# Altium PCB Main.PcbDoc (part 5 of 7)
Units mm, origin at the board's own origin, x right, y up, seen from the top; angles counter-clockwise.
Board outline 176.9 x 83.38 mm, 6 copper layers (Top Layer, Signal 1, GND, VCC, Signal 2, Bottom Layer), stack 0.816 mm thick; 265 components, 263 nets, 1108 pads, 1060 vias.
Unrouted connection lines stored in the file: 116.
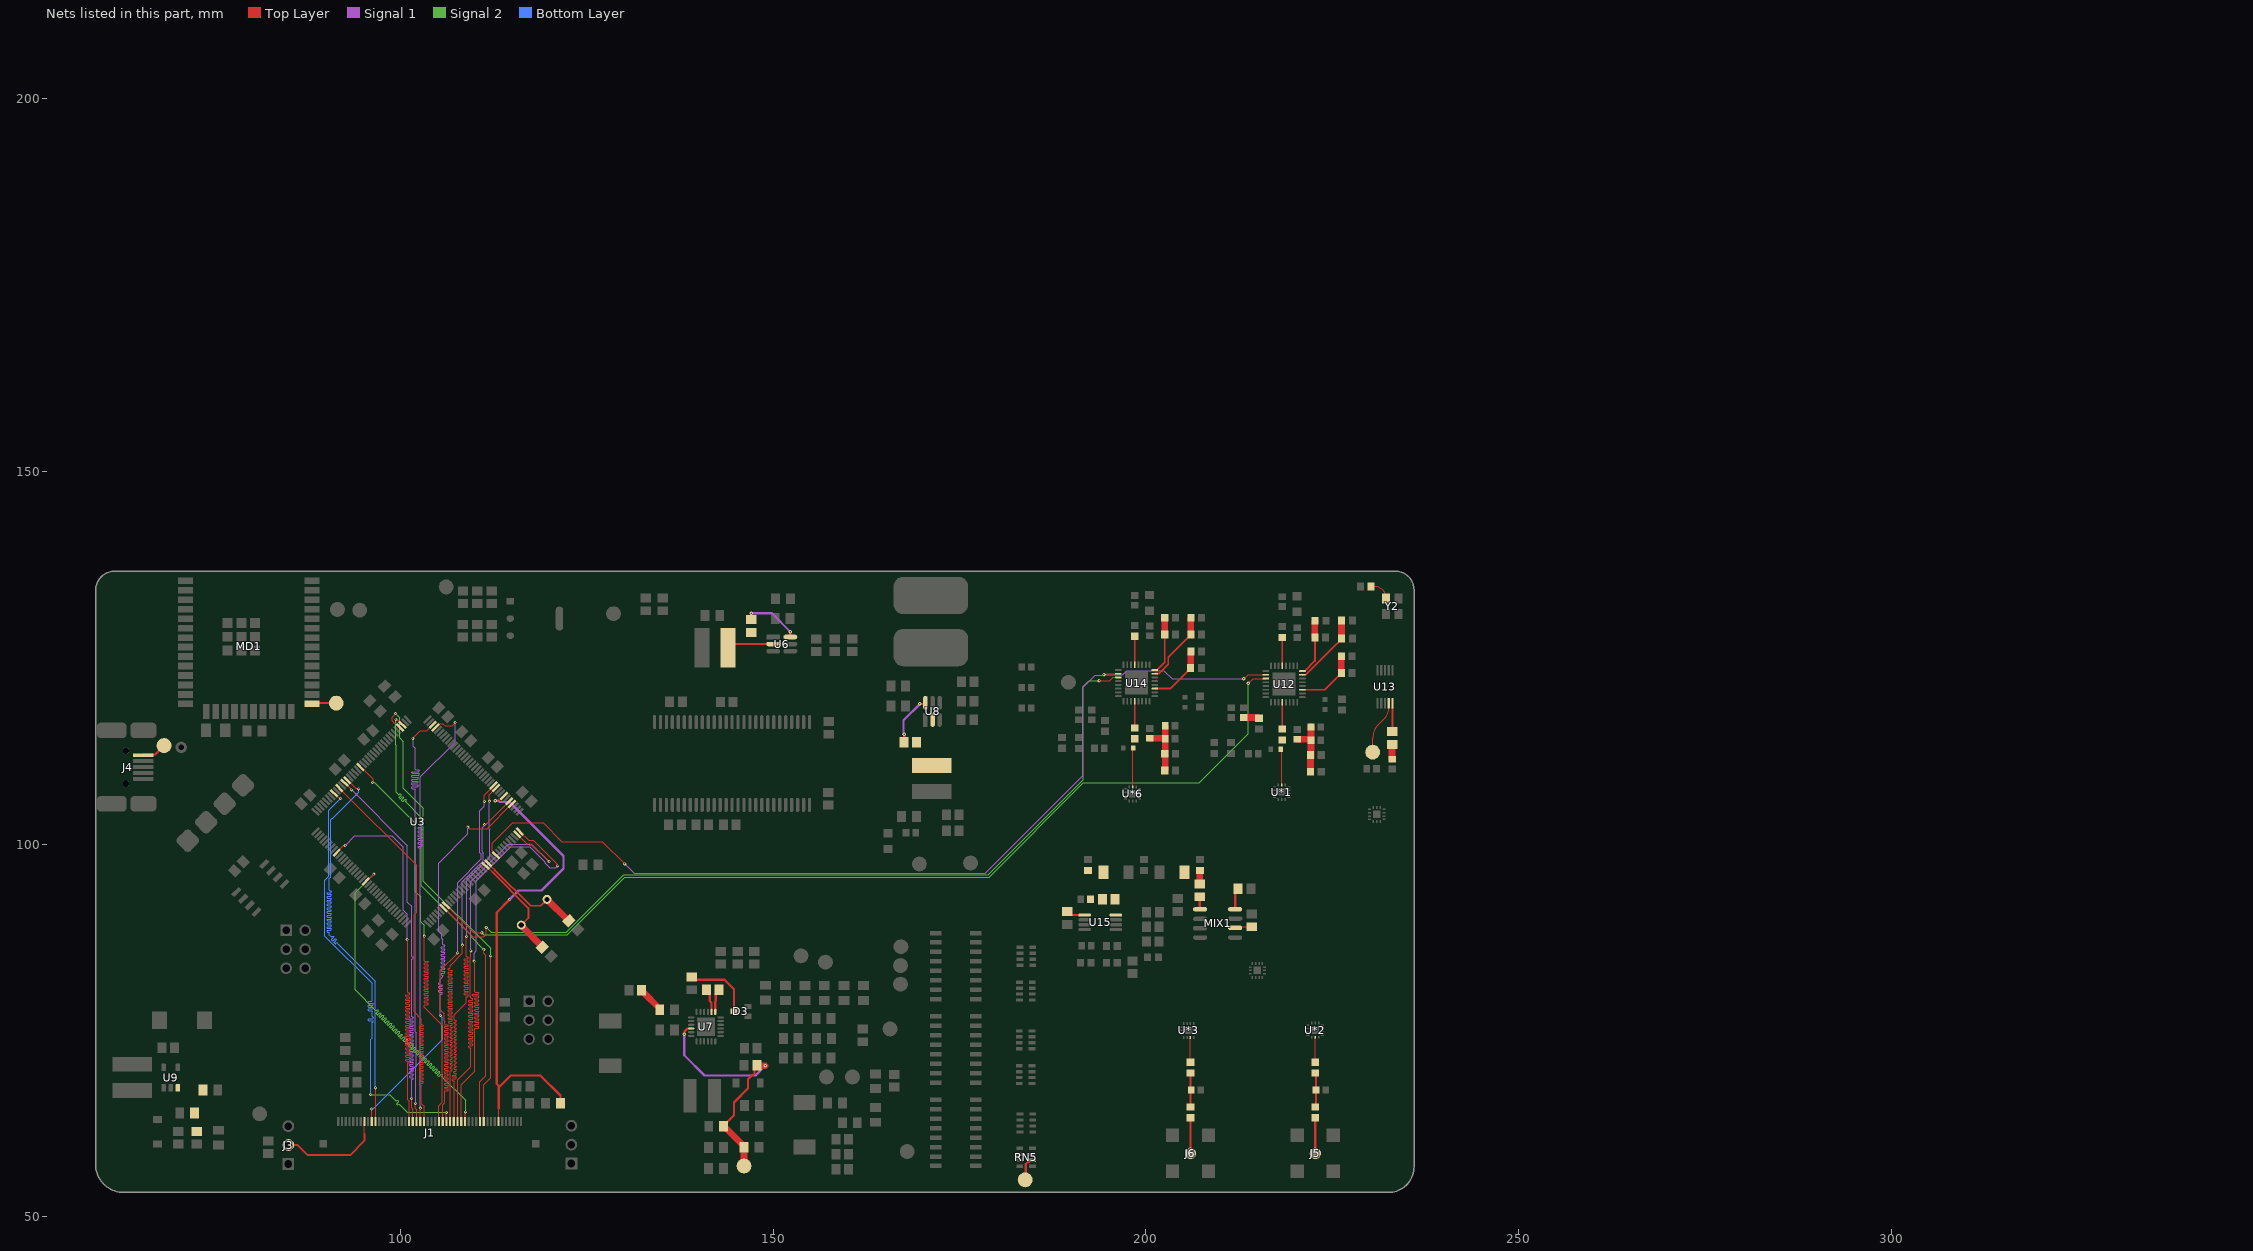
[diagram p9: the nets of this part, all layers, seen from the top]

## Via types
v1: diameter 0.45, hole 0.2, Top Layer to Bottom Layer, tented both sides, 551 vias
v2: diameter 0.8, hole 0.6, Top Layer to Bottom Layer, tented both sides, 348 vias
v3: diameter 0.4, hole 0.2, Top Layer to Bottom Layer, tented both sides, 138 vias
v4: diameter 0.5, hole 0.2, Top Layer to Bottom Layer, tented both sides, 23 vias

## Nets (pads, with @x,y where several pads share a name; then routed paths per layer and width w, separated by ;. In a path a pad name is that pad's centre, name@x,y a point inside that pad or via, vN(x,y) a via of type N, cw(c..) or ccw(c..) an arc to the next point about the centre after c; other vN are vias at no path point) (continued)
LCD_G3: J1.24 U3.99 | length 63.5
  Top Layer w0.127: U3.99@91.807,107.508 102.173,97.141 102.173,90.839 101.864,90.529 101.864,77.47 102.825,76.508 102.825,75.9 102.825,75.837 102.888,75.773 103.016,75.773 103.079,75.71 103.079,75.583 103.016,75.519 102.825,75.519 102.634,75.519 102.571,75.456 102.571,75.329 102.634,75.265 102.825,75.265 103.016,75.265 103.079,75.202 103.079,75.075 103.016,75.011 102.825,75.011 102.634,75.011 102.571,74.948 102.571,74.821 102.634,74.757 102.825,74.757 103.016,74.757 103.079,74.694 103.079,74.567 103.016,74.503 102.825,74.503 102.634,74.503 102.571,74.44 102.571,74.313 102.634,74.249 102.825,74.249 103.016,74.249 103.079,74.186 103.079,74.059 103.016,73.995 102.825,73.995 102.634,73.995 102.571,73.932 102.571,73.805 102.634,73.741 102.825,73.741 103.016,73.741 103.079,73.678 103.079,73.551 103.016,73.487 102.825,73.487 102.634,73.487 102.571,73.424 102.571,73.297 102.634,73.233 102.825,73.233 103.016,73.233 103.079,73.17 103.079,73.043 103.016,72.979 102.825,72.979 102.634,72.979 102.571,72.916 102.571,72.789 102.634,72.725 102.825,72.725 103.016,72.725 103.079,72.662 103.079,72.535 103.016,72.471 102.825,72.471 102.634,72.471 102.571,72.408 102.571,72.281 102.634,72.217 102.825,72.217 103.016,72.217 103.079,72.154 103.079,72.027 103.016,71.963 102.825,71.963 102.634,71.963 102.571,71.9 102.571,71.773 102.634,71.709 102.825,71.709 103.016,71.709 103.079,71.646 103.079,71.519 103.016,71.455 102.825,71.455 102.634,71.455 102.571,71.392 102.571,71.265 102.634,71.201 102.825,71.201 103.016,71.201 103.079,71.138 103.079,71.011 103.016,70.947 102.825,70.947 102.634,70.947 102.571,70.884 102.571,70.757 102.634,70.693 102.825,70.693 103.016,70.693 103.079,70.63 103.079,70.503 103.016,70.439 102.825,70.439 102.634,70.439 102.571,70.376 102.571,70.249 102.634,70.185 102.825,70.185 103.016,70.185 103.079,70.122 103.079,69.995 103.016,69.931 102.825,69.931 102.634,69.931 102.571,69.868 102.571,69.741 102.634,69.677 102.825,69.677 103.016,69.677 103.079,69.614 103.079,69.487 103.016,69.423 102.825,69.423 102.634,69.423 102.571,69.36 102.571,69.233 102.634,69.169 102.825,69.169 103.016,69.169 103.079,69.106 103.079,68.979 103.016,68.915 102.825,68.915 102.634,68.915 102.571,68.852 102.571,68.725 102.634,68.661 102.825,68.661 103.016,68.661 103.079,68.598 103.079,68.471 103.016,68.407 102.825,68.407 102.634,68.407 102.571,68.344 102.571,68.217 102.634,68.153 102.825,68.153 103.016,68.153 103.079,68.09 103.079,67.963 103.016,67.899 102.825,67.899 102.634,67.899 102.571,67.836 102.571,67.709 102.634,67.645 102.761,67.645 102.825,67.582 102.825,67.5 102.825,65.182 103.217,64.789 103.217,62.817 J1.24@103.175,62.775
LCD_G4: J1.23 U3.69 | length 63.7
  Top Layer w0.127: J1.23@102.675,62.775 v3(102.673,64.583) ; U3.69@104.711,115.64 104.798,115.64 105.309,116.151 105.72,116.151 106.004,115.866 106.941,115.866 v3(107.35,116.275)
  Signal 1 w0.127: v3(102.673,64.583) 102.673,99.45 102.647,99.477 102.483,99.477 102.419,99.54 102.419,99.667 102.483,99.731 102.673,99.731 102.864,99.731 102.927,99.794 102.927,99.921 102.864,99.985 102.673,99.985 102.483,99.985 102.419,100.048 102.419,100.175 102.483,100.239 102.673,100.239 102.864,100.239 102.927,100.302 102.927,100.429 102.864,100.493 102.673,100.493 102.483,100.493 102.419,100.556 102.419,100.683 102.483,100.747 102.673,100.747 102.864,100.747 102.927,100.81 102.927,100.937 102.864,101.001 102.673,101.001 102.483,101.001 102.419,101.064 102.419,101.191 102.483,101.255 102.673,101.255 102.864,101.255 102.927,101.318 102.927,101.445 102.864,101.509 102.673,101.509 102.483,101.509 102.419,101.572 102.419,101.699 102.483,101.763 102.673,101.763 102.864,101.763 102.927,101.826 102.927,101.953 102.864,102.017 102.673,102.017 102.483,102.017 102.419,102.08 102.419,102.207 102.483,102.271 102.673,102.271 102.864,102.271 102.927,102.334 102.927,102.461 102.864,102.525 102.737,102.525 102.673,102.588 102.673,102.652 102.673,108.998 107.35,113.675 v3(107.35,116.275)
LCD_G5: J1.22 U3.70 | length 63.7
  Top Layer w0.127: v3(101.68,114.181) 102.699,115.2 103.565,115.2 U3.70@104.358,115.993 ; v3(102.044,65.189) 101.992,65.137 101.992,64.807 101.983,64.797 101.983,64.542 102.183,64.342 102.183,62.782 J1.22@102.175,62.775
  Signal 1 w0.127: v3(101.68,114.181) 101.758,114.103 101.758,113.092 102.025,112.825 102.025,110.106 102.025,110.043 102.089,109.979 102.47,109.979 102.533,109.916 102.533,109.789 102.47,109.725 102.025,109.725 101.581,109.725 101.517,109.662 101.517,109.535 101.581,109.471 102.025,109.471 102.47,109.471 102.533,109.408 102.533,109.281 102.47,109.217 102.025,109.217 101.581,109.217 101.517,109.154 101.517,109.027 101.581,108.963 102.025,108.963 102.333,108.963 102.396,108.9 102.396,108.773 102.333,108.709 102.025,108.709 101.581,108.709 101.517,108.646 101.517,108.519 101.581,108.455 102.025,108.455 102.333,108.455 102.396,108.392 102.396,108.265 102.333,108.201 102.025,108.201 101.581,108.201 101.517,108.138 101.517,108.011 101.581,107.947 102.025,107.947 102.333,107.947 102.396,107.884 102.396,107.757 102.333,107.693 102.025,107.693 101.581,107.693 101.517,107.63 101.517,107.503 101.581,107.439 101.962,107.439 102.025,107.376 102.025,107.3 102.025,74.8 102.15,74.675 102.15,70.022 102.044,69.916 v3(102.044,65.189) v3@102.025,65.208
LCD_G6: J1.21 U3.97 | length 63.4
  Top Layer w0.127: U3.97@92.514,108.215 93.454,107.275 v3(93.475,107.275) ; v3(101.505,65.878) 101.505,64.585 101.675,64.414 J1.21@101.675,62.775
  Signal 1 w0.127: v3(93.475,107.275) 100.95,99.8 100.95,92.216 101.505,91.661 101.505,84.975 101.505,84.911 101.568,84.848 101.685,84.848 101.748,84.784 101.748,84.657 101.685,84.594 101.568,84.594 101.505,84.53 101.505,84.525 101.505,76.925 101.505,76.861 101.568,76.798 101.685,76.798 101.748,76.734 101.748,76.607 101.685,76.544 101.505,76.544 101.314,76.544 101.251,76.48 101.251,76.353 101.314,76.29 101.505,76.29 101.685,76.29 101.748,76.226 101.748,76.099 101.685,76.036 101.505,76.036 101.314,76.036 101.251,75.972 101.251,75.845 101.314,75.782 101.505,75.782 101.685,75.782 101.748,75.718 101.748,75.591 101.685,75.528 101.505,75.528 101.314,75.528 101.251,75.464 101.251,75.337 101.314,75.274 101.505,75.274 101.685,75.274 101.748,75.21 101.748,75.083 101.685,75.02 101.505,75.02 101.314,75.02 101.251,74.956 101.251,74.829 101.314,74.766 101.505,74.766 101.685,74.766 101.748,74.702 101.748,74.575 101.685,74.512 101.505,74.512 101.314,74.512 101.251,74.448 101.251,74.321 101.314,74.258 101.505,74.258 101.685,74.258 101.748,74.194 101.748,74.067 101.685,74.004 101.505,74.004 101.314,74.004 101.251,73.94 101.251,73.813 101.314,73.75 101.505,73.75 101.685,73.75 101.748,73.686 101.748,73.559 101.685,73.496 101.505,73.496 101.314,73.496 101.251,73.432 101.251,73.305 101.314,73.242 101.505,73.242 101.685,73.242 101.748,73.178 101.748,73.051 101.685,72.988 101.505,72.988 101.314,72.988 101.251,72.924 101.251,72.797 101.314,72.734 101.505,72.734 101.685,72.734 101.748,72.67 101.748,72.543 101.685,72.48 101.505,72.48 101.314,72.48 101.251,72.416 101.251,72.289 101.314,72.226 101.505,72.226 101.685,72.226 101.748,72.162 101.748,72.035 101.685,71.972 101.505,71.972 101.314,71.972 101.251,71.908 101.251,71.781 101.314,71.718 101.505,71.718 101.685,71.718 101.748,71.654 101.748,71.527 101.685,71.464 101.505,71.464 101.314,71.464 101.251,71.4 101.251,71.273 101.314,71.21 101.505,71.21 101.685,71.21 101.748,71.146 101.748,71.019 101.685,70.956 101.505,70.956 101.314,70.956 101.251,70.892 101.251,70.765 101.314,70.702 101.505,70.702 101.685,70.702 101.748,70.638 101.748,70.511 101.685,70.448 101.505,70.448 101.314,70.448 101.251,70.384 101.251,70.257 101.314,70.194 101.505,70.194 101.685,70.194 101.748,70.13 101.748,70.003 101.685,69.94 101.505,69.94 101.314,69.94 101.251,69.876 101.251,69.749 101.314,69.686 101.505,69.686 101.685,69.686 101.748,69.622 101.748,69.495 101.685,69.432 101.505,69.432 101.314,69.432 101.251,69.368 101.251,69.241 101.314,69.178 101.505,69.178 101.685,69.178 101.748,69.114 101.748,68.987 101.685,68.924 101.505,68.924 101.314,68.924 101.251,68.86 101.251,68.733 101.314,68.67 101.505,68.67 101.685,68.67 101.748,68.606 101.748,68.479 101.685,68.416 101.568,68.416 101.505,68.352 101.505,68.275 v3(101.505,65.878)
LCD_G7: J1.20 U3.117 | length 63.7
  Top Layer w0.127: U3.117@91.453,98.846 92.355,99.748 92.548,99.748 v3(92.6,99.8) ; v3(100.9,87.175) 100.925,87.175 101.025,87.075 100.987,87.037 100.987,80.15 100.987,80.086 101.051,80.023 101.178,80.023 101.241,79.959 101.241,79.832 101.178,79.769 100.987,79.769 100.797,79.769 100.733,79.705 100.733,79.578 100.797,79.515 100.987,79.515 101.178,79.515 101.241,79.451 101.241,79.324 101.178,79.261 100.987,79.261 100.797,79.261 100.733,79.197 100.733,79.07 100.797,79.007 100.987,79.007 101.178,79.007 101.241,78.943 101.241,78.816 101.178,78.753 100.987,78.753 100.797,78.753 100.733,78.689 100.733,78.562 100.797,78.499 100.987,78.499 101.178,78.499 101.241,78.435 101.241,78.308 101.178,78.245 100.987,78.245 100.797,78.245 100.733,78.181 100.733,78.054 100.797,77.991 100.987,77.991 101.178,77.991 101.241,77.927 101.241,77.8 101.178,77.737 100.987,77.737 100.797,77.737 100.733,77.673 100.733,77.546 100.797,77.483 100.987,77.483 101.178,77.483 101.241,77.419 101.241,77.292 101.178,77.229 100.987,77.229 100.797,77.229 100.733,77.165 100.733,77.038 100.797,76.975 100.987,76.975 101.178,76.975 101.241,76.911 101.241,76.784 101.178,76.721 100.987,76.721 100.797,76.721 100.733,76.657 100.733,76.53 100.797,76.467 100.987,76.467 101.178,76.467 101.241,76.403 101.241,76.276 101.178,76.213 100.987,76.213 100.797,76.213 100.733,76.149 100.733,76.022 100.797,75.959 100.987,75.959 101.178,75.959 101.241,75.895 101.241,75.768 101.178,75.705 100.987,75.705 100.797,75.705 100.733,75.641 100.733,75.514 100.797,75.451 100.987,75.451 101.178,75.451 101.241,75.387 101.241,75.26 101.178,75.197 100.987,75.197 100.797,75.197 100.733,75.133 100.733,75.006 100.797,74.943 100.987,74.943 101.178,74.943 101.241,74.879 101.241,74.752 101.178,74.689 100.987,74.689 100.797,74.689 100.733,74.625 100.733,74.498 100.797,74.435 100.987,74.435 101.178,74.435 101.241,74.371 101.241,74.244 101.178,74.181 100.987,74.181 100.797,74.181 100.733,74.117 100.733,73.99 100.797,73.927 100.987,73.927 101.178,73.927 101.241,73.863 101.241,73.736 101.178,73.673 100.987,73.673 100.797,73.673 100.733,73.609 100.733,73.482 100.797,73.419 100.987,73.419 101.178,73.419 101.241,73.355 101.241,73.228 101.178,73.165 100.987,73.165 100.797,73.165 100.733,73.101 100.733,72.974 100.797,72.911 100.987,72.911 101.178,72.911 101.241,72.847 101.241,72.72 101.178,72.657 100.987,72.657 100.797,72.657 100.733,72.593 100.733,72.466 100.797,72.403 100.987,72.403 101.178,72.403 101.241,72.339 101.241,72.212 101.178,72.149 100.987,72.149 100.797,72.149 100.733,72.085 100.733,71.958 100.797,71.895 100.987,71.895 101.178,71.895 101.241,71.831 101.241,71.704 101.178,71.641 100.987,71.641 100.797,71.641 100.733,71.577 100.733,71.45 100.797,71.387 100.987,71.387 101.178,71.387 101.241,71.323 101.241,71.196 101.178,71.133 100.987,71.133 100.797,71.133 100.733,71.069 100.733,70.942 100.797,70.879 100.987,70.879 101.178,70.879 101.241,70.815 101.241,70.688 101.178,70.625 101.012,70.625 100.987,70.6 100.987,65.664 101.175,65.476 J1.20@101.175,62.775
  Signal 1 w0.127: v3(92.6,99.8) 93.9,101.1 98.85,101.1 100.368,99.582 100.368,91.107 100.9,90.575 v3(100.9,87.175)
LCD_HS: J1.11 U3.96 | length 62
  Top Layer w0.127: U3.96@92.867,108.568 92.913,108.568 94.03,107.452 94.348,107.452 v3(94.4,107.4) ; v3(96.65,67.275) 96.668,67.257 96.668,62.782 J1.11@96.675,62.775
  Bottom Layer w0.127: v3(94.4,107.4) 94.4,106.918 90.95,103.468 90.843,103.468 90.644,103.27 90.644,95.561 90.475,95.391 90.475,93.875 90.475,93.811 90.539,93.748 90.666,93.748 90.729,93.684 90.729,93.557 90.666,93.494 90.475,93.494 90.284,93.494 90.221,93.43 90.221,93.303 90.284,93.24 90.475,93.24 90.666,93.24 90.729,93.176 90.729,93.049 90.666,92.986 90.475,92.986 90.284,92.986 90.221,92.922 90.221,92.795 90.284,92.732 90.475,92.732 90.666,92.732 90.729,92.668 90.729,92.541 90.666,92.478 90.475,92.478 90.284,92.478 90.221,92.414 90.221,92.287 90.284,92.224 90.475,92.224 90.666,92.224 90.729,92.16 90.729,92.033 90.666,91.97 90.475,91.97 90.284,91.97 90.221,91.906 90.221,91.779 90.284,91.716 90.475,91.716 90.666,91.716 90.729,91.652 90.729,91.525 90.666,91.462 90.475,91.462 90.284,91.462 90.221,91.398 90.221,91.271 90.284,91.208 90.475,91.208 90.666,91.208 90.729,91.144 90.729,91.017 90.666,90.954 90.475,90.954 90.284,90.954 90.221,90.89 90.221,90.763 90.284,90.7 90.475,90.7 90.666,90.7 90.729,90.636 90.729,90.509 90.666,90.446 90.475,90.446 90.284,90.446 90.221,90.382 90.221,90.255 90.284,90.192 90.475,90.192 90.666,90.192 90.729,90.128 90.729,90.001 90.666,89.938 90.475,89.938 90.284,89.938 90.221,89.874 90.221,89.747 90.284,89.684 90.475,89.684 90.666,89.684 90.729,89.62 90.729,89.493 90.666,89.43 90.475,89.43 90.284,89.43 90.221,89.366 90.221,89.239 90.284,89.176 90.475,89.176 90.666,89.176 90.729,89.112 90.729,88.985 90.666,88.922 90.475,88.922 90.284,88.922 90.221,88.858 90.221,88.731 90.284,88.668 90.475,88.668 90.666,88.668 90.729,88.604 90.729,88.477 90.666,88.414 90.475,88.414 90.284,88.414 90.221,88.35 90.221,88.223 90.284,88.16 90.412,88.16 90.475,88.096 90.475,87.906 90.475,87.775 90.565,87.685 90.7,87.55 90.789,87.55 90.879,87.64 90.969,87.64 91.059,87.55 91.059,87.461 90.924,87.326 90.789,87.191 90.789,87.101 90.879,87.012 90.969,87.012 91.104,87.146 91.238,87.281 91.328,87.281 91.418,87.191 91.418,87.101 91.283,86.967 91.149,86.832 91.149,86.742 91.238,86.652 91.328,86.652 91.418,86.742 91.508,86.742 91.6,86.65 96.65,81.6 v3(96.65,67.275)
LCD_L/R: J1.39 U3.75 | length 62.6
  Top Layer w0.127: v3(99.4,116.725) 99.474,116.725 99.594,116.605 99.68,116.605 U3.75@100.292,115.993 ; J1.39@110.675,62.775 110.675,68.125 111.431,68.881 111.431,85.101 111.2,85.332 v3(111.2,85.825)
  Signal 2 w0.127: v3(99.4,116.725) 99.362,116.687 99.362,113.291 99.425,113.229 99.425,106.95 99.687,106.688 99.732,106.643 99.822,106.643 99.912,106.732 100.002,106.732 100.092,106.643 100.092,106.553 99.957,106.418 99.822,106.283 99.822,106.194 99.912,106.104 100.002,106.104 100.137,106.238 100.271,106.373 100.361,106.373 100.451,106.283 100.451,106.194 100.316,106.059 100.181,105.924 100.181,105.834 100.271,105.745 100.361,105.745 100.496,105.879 100.63,106.014 100.72,106.014 100.81,105.924 100.81,105.834 100.72,105.745 100.72,105.655 100.725,105.65 102.825,103.55 102.825,94.425 109.418,87.832 109.418,87.608 v3(111.2,85.825)
LCD_MODE: J1.8 J3.2 | length 14.1
  Top Layer w0.127: 95.175,61.1 J1.8@95.175,62.775
  Top Layer w0.254: J3.2@84.975,59.615 86.235,59.615 87.575,58.275 93.25,58.275 95.175,60.2 95.175,61.1
LCD_R0: J1.35 U3.128 | length 63.1
  Top Layer w0.127: U3.128@95.342,94.957 95.954,95.569 96.044,95.569 v3(96.45,95.975) ; J1.35@108.675,62.775 108.713,62.812 108.713,64.038 v3(108.75,64.075)
  Signal 2 w0.127: v3(96.45,95.975) 93.932,93.457 93.932,80.417 96.65,77.7 96.695,77.655 96.785,77.655 96.875,77.745 96.964,77.745 97.054,77.655 97.054,77.565 96.919,77.431 96.785,77.296 96.785,77.206 96.875,77.116 96.964,77.116 97.099,77.251 97.234,77.386 97.324,77.386 97.413,77.296 97.413,77.206 97.279,77.071 97.144,76.937 97.144,76.847 97.234,76.757 97.324,76.757 97.458,76.892 97.593,77.026 97.683,77.026 97.773,76.937 97.773,76.847 97.638,76.712 97.503,76.577 97.503,76.488 97.593,76.398 97.683,76.398 97.817,76.533 97.952,76.667 98.042,76.667 98.132,76.577 98.132,76.488 97.997,76.353 97.862,76.218 97.862,76.128 97.952,76.039 98.042,76.039 98.177,76.173 98.311,76.308 98.401,76.308 98.491,76.218 98.491,76.128 98.356,75.994 98.222,75.859 98.222,75.769 98.311,75.679 98.401,75.679 98.536,75.814 98.671,75.949 98.76,75.949 98.85,75.859 98.85,75.769 98.715,75.635 98.581,75.5 98.581,75.41 98.671,75.32 98.76,75.32 98.895,75.455 99.03,75.59 99.12,75.59 99.209,75.5 99.209,75.41 99.075,75.275 98.94,75.141 98.94,75.051 99.03,74.961 99.12,74.961 99.254,75.096 99.389,75.23 99.479,75.23 99.569,75.141 99.569,75.051 99.434,74.916 99.299,74.781 99.299,74.692 99.389,74.602 99.479,74.602 99.613,74.737 99.748,74.871 99.838,74.871 99.928,74.781 99.928,74.692 99.793,74.557 99.658,74.422 99.658,74.332 99.748,74.243 99.838,74.243 99.973,74.377 100.107,74.512 100.197,74.512 100.287,74.422 100.287,74.332 100.152,74.198 100.018,74.063 100.018,73.973 100.107,73.883 100.197,73.883 100.332,74.018 100.467,74.153 100.556,74.153 100.646,74.063 100.646,73.973 100.512,73.838 100.377,73.704 100.377,73.614 100.467,73.524 100.556,73.524 100.691,73.659 100.826,73.794 100.916,73.794 101.005,73.704 101.005,73.614 100.871,73.479 100.736,73.345 100.736,73.255 100.826,73.165 100.916,73.165 101.05,73.3 101.185,73.434 101.275,73.434 101.365,73.345 101.365,73.255 101.23,73.12 101.095,72.985 101.095,72.896 101.185,72.806 101.275,72.806 101.41,72.94 101.544,73.075 101.634,73.075 101.724,72.985 101.724,72.896 101.589,72.761 101.454,72.626 101.454,72.536 101.544,72.447 101.634,72.447 101.769,72.581 101.903,72.716 101.993,72.716 102.083,72.626 102.083,72.536 101.948,72.402 101.814,72.267 101.814,72.177 101.903,72.087 101.993,72.087 102.128,72.222 102.263,72.357 102.352,72.357 102.442,72.267 102.442,72.177 102.308,72.042 102.173,71.908 102.173,71.818 102.263,71.728 102.352,71.728 102.487,71.863 102.622,71.998 102.712,71.998 102.801,71.908 102.801,71.818 102.667,71.683 102.532,71.549 102.532,71.459 102.622,71.369 102.712,71.369 102.846,71.504 102.981,71.638 103.071,71.638 103.161,71.549 103.161,71.459 103.026,71.324 102.891,71.189 102.891,71.1 102.981,71.01 103.071,71.01 103.206,71.144 103.34,71.279 103.43,71.279 103.52,71.189 103.52,71.1 103.385,70.965 103.25,70.83 103.25,70.74 103.34,70.65 103.43,70.65 103.565,70.785 103.7,70.92 103.789,70.92 103.879,70.83 103.879,70.74 103.744,70.606 103.61,70.471 103.61,70.381 103.699,70.291 103.789,70.291 103.924,70.426 104.059,70.561 104.149,70.561 104.238,70.471 104.238,70.381 104.104,70.246 103.969,70.112 103.969,70.022 104.059,69.932 104.149,69.932 104.283,70.067 104.418,70.201 104.508,70.201 104.598,70.112 104.598,70.022 104.463,69.887 104.328,69.752 104.328,69.663 104.418,69.573 104.508,69.573 104.642,69.708 104.777,69.842 104.867,69.842 104.957,69.752 104.957,69.663 104.822,69.528 104.687,69.393 104.687,69.303 104.777,69.214 104.867,69.214 105.002,69.348 105.136,69.483 105.226,69.483 105.316,69.393 105.316,69.303 105.181,69.169 105.047,69.034 105.047,68.944 105.136,68.854 105.226,68.854 105.361,68.989 105.496,69.124 105.585,69.124 105.675,69.034 105.675,68.944 105.585,68.854 105.585,68.765 105.648,68.702 108.75,65.6 v3(108.75,64.075)
LCD_R1: J1.34 U3.36 | length 63.8
  Top Layer w0.127: J1.34@108.175,62.775 108.175,67.725 109.981,69.531 109.981,75.275 110.003,75.297 110.426,75.297 110.489,75.36 110.489,75.487 110.426,75.551 110.045,75.551 109.981,75.614 109.981,75.741 110.045,75.805 110.426,75.805 110.489,75.868 110.489,75.995 110.426,76.059 110.045,76.059 109.981,76.122 109.981,76.249 110.045,76.313 110.426,76.313 110.489,76.376 110.489,76.503 110.426,76.567 110.045,76.567 109.981,76.63 109.981,76.757 110.045,76.821 110.426,76.821 110.489,76.884 110.489,77.011 110.426,77.075 110.045,77.075 109.981,77.138 109.981,77.265 110.045,77.329 110.426,77.329 110.489,77.392 110.489,77.519 110.426,77.583 110.045,77.583 109.981,77.646 109.981,77.773 110.045,77.837 110.426,77.837 110.489,77.9 110.489,78.027 110.426,78.091 110.045,78.091 109.981,78.154 109.981,78.281 110.045,78.345 110.426,78.345 110.489,78.408 110.489,78.535 110.426,78.599 110.045,78.599 109.981,78.662 109.981,78.789 110.045,78.853 110.426,78.853 110.489,78.916 110.489,79.043 110.426,79.107 110.045,79.107 109.981,79.17 109.981,79.297 110.045,79.361 110.426,79.361 110.489,79.424 110.489,79.551 110.426,79.615 109.981,79.615 109.723,79.615 109.659,79.678 109.659,79.805 109.723,79.869 109.981,79.869 110.426,79.869 110.489,79.932 110.489,80.059 110.426,80.123 110.045,80.123 109.981,80.186 109.981,80.25 109.981,84.194 v3(109.9,84.275) ; U3.36@116.025,101.674 117.224,100.475 117.832,100.475 121.048,97.259 121.048,97.127 v3(121.1,97.075)
  Signal 1 w0.127: v3(109.9,84.275) 109.9,85.368 110.182,85.651 110.182,95.039 114.79,99.647 117.349,99.647 119.432,97.564 119.432,97.411 120.043,96.8 120.825,96.8 v3(121.1,97.075)
LCD_R2: J1.33 U3.35 | length 63.5
  Top Layer w0.127: J1.33@107.675,62.775 107.675,68.351 109.45,70.126 109.45,72.5 109.45,72.63 109.386,72.694 109.259,72.694 109.196,72.757 109.196,72.884 109.259,72.948 109.45,72.948 109.641,72.948 109.704,73.011 109.704,73.138 109.641,73.202 109.45,73.202 109.259,73.202 109.196,73.265 109.196,73.392 109.259,73.456 109.45,73.456 109.641,73.456 109.704,73.519 109.704,73.646 109.641,73.71 109.45,73.71 109.259,73.71 109.196,73.773 109.196,73.9 109.259,73.964 109.45,73.964 109.641,73.964 109.704,74.027 109.704,74.154 109.641,74.218 109.45,74.218 109.259,74.218 109.196,74.281 109.196,74.408 109.259,74.472 109.45,74.472 109.641,74.472 109.704,74.535 109.704,74.662 109.641,74.726 109.45,74.726 109.259,74.726 109.196,74.789 109.196,74.916 109.259,74.98 109.45,74.98 109.641,74.98 109.704,75.043 109.704,75.17 109.641,75.234 109.45,75.234 109.259,75.234 109.196,75.297 109.196,75.424 109.259,75.488 109.45,75.488 109.641,75.488 109.704,75.551 109.704,75.678 109.641,75.742 109.45,75.742 109.259,75.742 109.196,75.805 109.196,75.932 109.259,75.996 109.45,75.996 109.641,75.996 109.704,76.059 109.704,76.186 109.641,76.25 109.45,76.25 109.259,76.25 109.196,76.313 109.196,76.44 109.259,76.504 109.45,76.504 109.641,76.504 109.704,76.567 109.704,76.694 109.641,76.758 109.45,76.758 109.259,76.758 109.196,76.821 109.196,76.948 109.259,77.012 109.45,77.012 109.641,77.012 109.704,77.075 109.704,77.202 109.641,77.266 109.45,77.266 109.259,77.266 109.196,77.329 109.196,77.456 109.259,77.52 109.45,77.52 109.641,77.52 109.704,77.583 109.704,77.71 109.641,77.774 109.45,77.774 109.259,77.774 109.196,77.837 109.196,77.964 109.259,78.028 109.45,78.028 109.641,78.028 109.704,78.091 109.704,78.218 109.641,78.282 109.45,78.282 109.259,78.282 109.196,78.345 109.196,78.472 109.259,78.536 109.45,78.536 109.641,78.536 109.704,78.599 109.704,78.726 109.641,78.79 109.45,78.79 109.259,78.79 109.196,78.853 109.196,78.98 109.259,79.044 109.45,79.044 109.641,79.044 109.704,79.107 109.704,79.234 109.641,79.298 109.513,79.298 109.45,79.361 109.45,79.425 109.383,79.492 109.383,84.785 109.45,84.852 v3(109.45,85.65) ; U3.35@115.672,101.321 116.927,100.066 117.509,100.066 v3(119.95,97.625)